# KiCad board tty2040.kicad_pcb
title: Serial to TTY converter board; date: 2025-02-20; rev: a
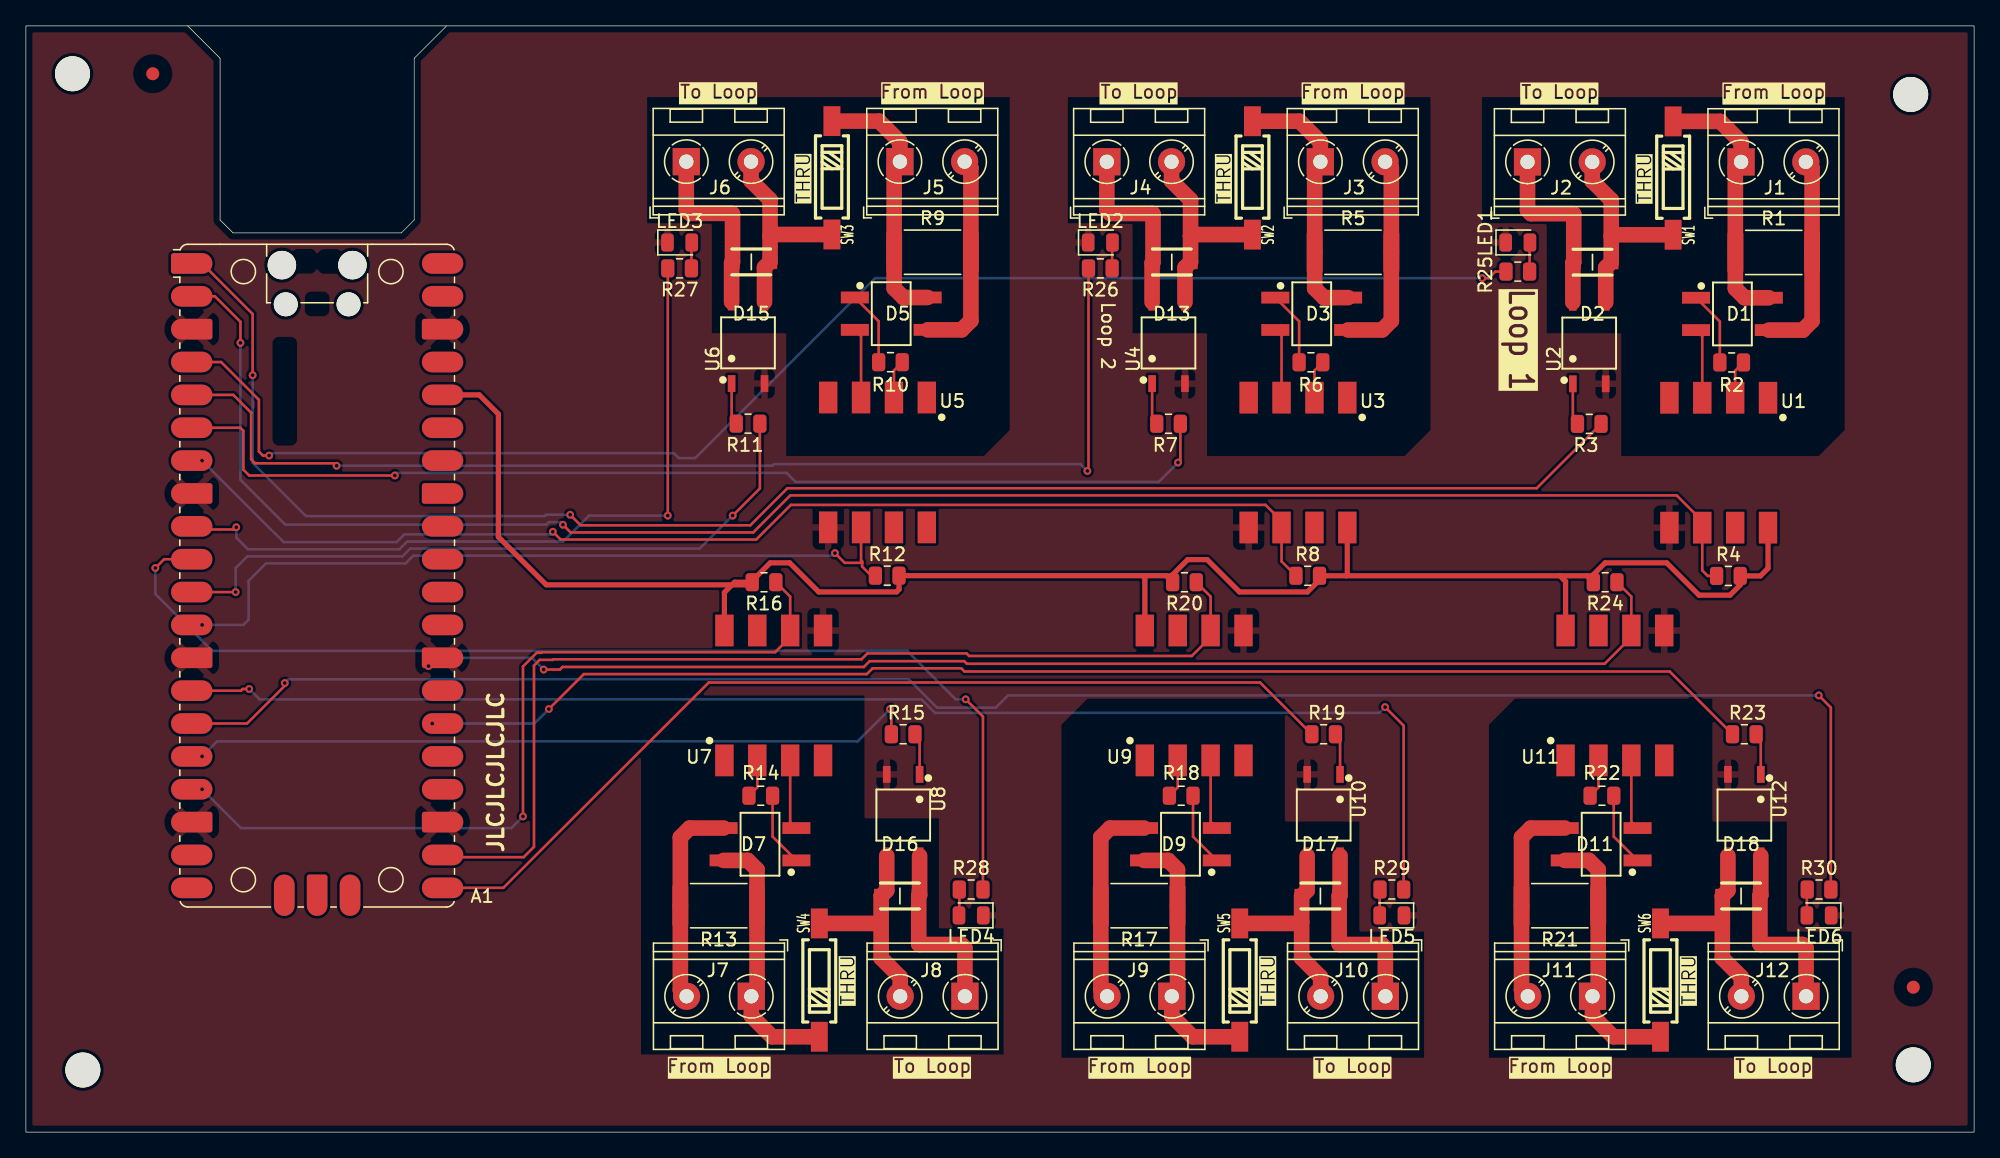
[diagram p0: board, top side]
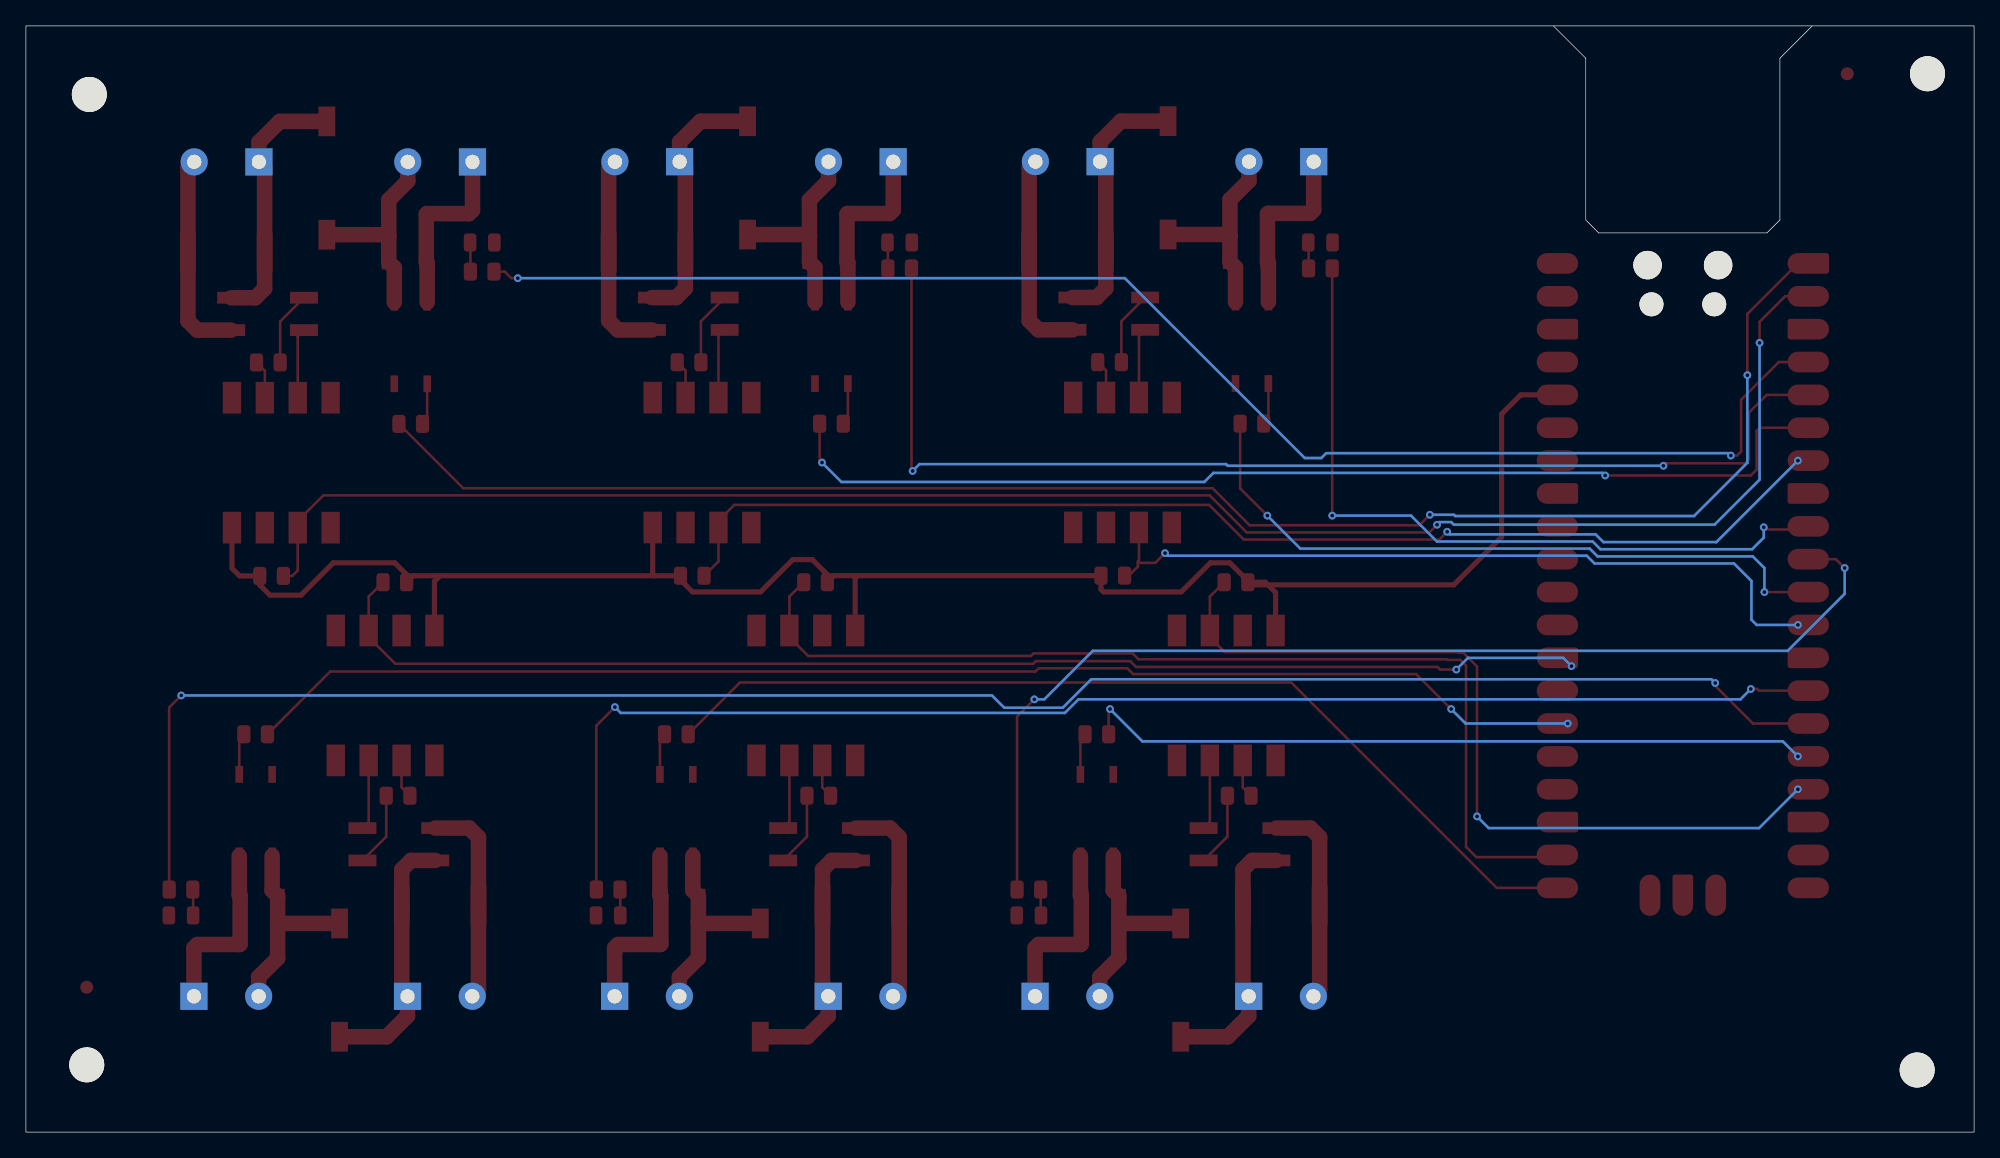
[diagram p1: board, bottom side, seen from below]

Outline 150.5 x 85.5 mm; copper layers: Top, Bottom. Coordinates in mm from the lower left corner of the outline.
Outline path: rectangle 0,85.5 150.5,0 ; 12.5,85.5 15,83 15,70.5 16,69.5 29,69.5 30,70.5 30,83 32.5,85.5
Stack: Top 0.035mm / dielectric 1.51mm FR4 er 4.5 / Bottom 0.035mm

## Placement (name value [footprint] x y rotation side)
A1  RaspberryPi_Pico  [RaspberryPi_Pico_Original_SMD_HandSolder]  22.5 43.01 0 top
D1  MB10S-50MIL  [MBF_L4.8-W3.9-P2.50-LS6.7-TR]  131.83 63.24 90 top
D2  SMF150CA_C519810  [SMF_L2.9-W1.9-LS3.9-BI]  121.02 67.24 180 top
D3  MB10S-50MIL  [MBF_L4.8-W3.9-P2.50-LS6.7-TR]  99.33 63.25 90 top
D5  MB10S-50MIL  [MBF_L4.8-W3.9-P2.50-LS6.7-TR]  66.85 63.26 90 top
D7  MB10S-50MIL  [MBF_L4.8-W3.9-P2.50-LS6.7-TR]  56.71 22.25 270 top
D9  MB10S-50MIL  [MBF_L4.8-W3.9-P2.50-LS6.7-TR]  89.19 22.25 270 top
D11  MB10S-50MIL  [MBF_L4.8-W3.9-P2.50-LS6.7-TR]  121.69 22.25 270 top
D13  SMF150CA_C519810  [SMF_L2.9-W1.9-LS3.9-BI]  88.52 67.25 180 top
D15  SMF150CA_C519810  [SMF_L2.9-W1.9-LS3.9-BI]  56.04 67.26 180 top
D16  SMF150CA_C519810  [SMF_L2.9-W1.9-LS3.9-BI]  67.52 18.25 0 top
D17  SMF150CA_C519810  [SMF_L2.9-W1.9-LS3.9-BI]  100 18.25 0 top
D18  SMF150CA_C519810  [SMF_L2.9-W1.9-LS3.9-BI]  132.5 18.25 0 top
FID1  Fiducial  [Fiducial_1mm_Mask3mm]  145.8 11.2 0 top
FID2  Fiducial  [Fiducial_1mm_Mask3mm]  9.8 81.8 0 top
H1  MountingHole  [MountingHole_2.7mm_M2.5]  3.6 81.8 270 top
H2  MountingHole  [MountingHole_2.7mm_M2.5]  4.4 4.8 270 top
H3  MountingHole  [MountingHole_2.7mm_M2.5]  145.8 5.2 270 top
H4  MountingHole  [MountingHole_2.7mm_M2.5]  145.6 80.2 270 top
J1  From Loop  [TerminalBlock_5mm_labeled]  132.5 74.99 0 top
J2  To Loop  [TerminalBlock_5mm_labeled]  116 74.99 0 top
J3  From Loop  [TerminalBlock_5mm_labeled]  100 75 0 top
J4  To Loop  [TerminalBlock_5mm_labeled]  83.5 75 0 top
J5  From Loop  [TerminalBlock_5mm_labeled]  67.52 75.01 0 top
J6  To Loop  [TerminalBlock_5mm_labeled]  51.02 75.01 0 top
J7  From Loop  [TerminalBlock_5mm_labeled]  56.04 10.5 180 top
J8  To Loop  [TerminalBlock_5mm_labeled]  72.54 10.5 180 top
J9  From Loop  [TerminalBlock_5mm_labeled]  88.52 10.5 180 top
J10  To Loop  [TerminalBlock_5mm_labeled]  105.02 10.5 180 top
J11  From Loop  [TerminalBlock_5mm_labeled]  121.02 10.5 180 top
J12  To Loop  [TerminalBlock_5mm_labeled]  137.52 10.5 180 top
LED1  KT-0603R  [D_0805_2012Metric]  115.25 68.76 0 top
LED2  KT-0603R  [D_0805_2012Metric]  83 68.76 0 top
LED3  KT-0603R  [D_0805_2012Metric]  50.5 68.76 0 top
LED4  KT-0603R  [D_0805_2012Metric]  73.02 16.75 180 top
LED5  KT-0603R  [D_0805_2012Metric]  105.52 16.75 180 top
LED6  KT-0603R  [D_0805_2012Metric]  138.52 16.75 180 top
R1  47R 1W  [R_2512_6332Metric]  135.02 67.99 0 top
R2  470  [R_0805_2012Metric]  131.77 59.49 0 top
R3  470  [R_0805_2012Metric]  120.77 54.74 180 top
R4  4.7K  [R_0805_2012Metric]  131.52 42.99 0 top
R5  47R 1W  [R_2512_6332Metric]  102.52 68 0 top
R6  470  [R_0805_2012Metric]  99.27 59.5 0 top
R7  470  [R_0805_2012Metric]  88.27 54.75 180 top
R8  4.7K  [R_0805_2012Metric]  99.02 43 0 top
R9  47R 1W  [R_2512_6332Metric]  70.04 68.01 0 top
R10  470  [R_0805_2012Metric]  66.79 59.51 0 top
R11  470  [R_0805_2012Metric]  55.79 54.76 180 top
R12  4.7K  [R_0805_2012Metric]  66.54 43.01 0 top
R13  47R 1W  [R_2512_6332Metric]  53.52 17.5 180 top
R14  470  [R_0805_2012Metric]  56.77 26 180 top
R15  470  [R_0805_2012Metric]  67.77 30.75 0 top
R16  4.7K  [R_0805_2012Metric]  57.02 42.5 180 top
R17  47R 1W  [R_2512_6332Metric]  86 17.5 180 top
R18  470  [R_0805_2012Metric]  89.25 26 180 top
R19  470  [R_0805_2012Metric]  100.25 30.75 0 top
R20  4.7K  [R_0805_2012Metric]  89.5 42.5 180 top
R21  47R 1W  [R_2512_6332Metric]  118.5 17.5 180 top
R22  470  [R_0805_2012Metric]  121.75 26 180 top
R23  470  [R_0805_2012Metric]  132.75 30.75 0 top
R24  4.7K  [R_0805_2012Metric]  122 42.5 180 top
R25  4.7K  [R_0805_2012Metric]  115.25 66.51 180 top
R26  4.7K  [R_0805_2012Metric]  83 66.76 180 top
R27  4.7K  [R_0805_2012Metric]  50.5 66.76 180 top
R28  4.7K  [R_0805_2012Metric]  73.02 18.75 0 top
R29  4.7K  [R_0805_2012Metric]  105.52 18.75 0 top
R30  4.7K  [R_0805_2012Metric]  138.52 18.75 0 top
SW1  THRU  [SW-SMD_DSIC01LSGET]  127.25 73.74 180 top
SW2  THRU  [SW-SMD_DSIC01LSGET]  94.75 73.75 180 top
SW3  THRU  [SW-SMD_DSIC01LSGET]  62.27 73.76 180 top
SW4  THRU  [SW-SMD_DSIC01LSGET]  61.29 11.75 0 top
SW5  THRU  [SW-SMD_DSIC01LSGET]  93.77 11.75 0 top
SW6  THRU  [SW-SMD_DSIC01LSGET]  126.27 11.75 0 top
U1  6N139SDM  [OPTO-SMD-8P_L9.6-W6.5-P2.54-LS10.0-BL]  130.77 51.74 180 top
U2  GAQY211G2S  [SOP-4_L4.4-W4.0-P2.54-LS7.0-TL]  120.77 60.99 90 top
U3  6N139SDM  [OPTO-SMD-8P_L9.6-W6.5-P2.54-LS10.0-BL]  98.27 51.75 180 top
U4  GAQY211G2S  [SOP-4_L4.4-W4.0-P2.54-LS7.0-TL]  88.27 61 90 top
U5  6N139SDM  [OPTO-SMD-8P_L9.6-W6.5-P2.54-LS10.0-BL]  65.79 51.76 180 top
U6  GAQY211G2S  [SOP-4_L4.4-W4.0-P2.54-LS7.0-TL]  55.79 61.01 90 top
U7  6N139SDM  [OPTO-SMD-8P_L9.6-W6.5-P2.54-LS10.0-BL]  57.77 33.75 0 top
U8  GAQY211G2S  [SOP-4_L4.4-W4.0-P2.54-LS7.0-TL]  67.77 24.5 270 top
U9  6N139SDM  [OPTO-SMD-8P_L9.6-W6.5-P2.54-LS10.0-BL]  90.25 33.75 0 top
U10  GAQY211G2S  [SOP-4_L4.4-W4.0-P2.54-LS7.0-TL]  100.25 24.5 270 top
U11  6N139SDM  [OPTO-SMD-8P_L9.6-W6.5-P2.54-LS10.0-BL]  122.75 33.75 0 top
U12  GAQY211G2S  [SOP-4_L4.4-W4.0-P2.54-LS7.0-TL]  132.75 24.5 270 top

## Library data of the parts
A1 = -: Datasheet: https://datasheets.raspberrypi.com/pico/pico-datasheet.pdf; Description: Versatile and inexpensive microcontroller module powered by RP2040 dual-core Arm Cortex-M0+ processor up to 133 MHz, 264kB SRAM, 2MB QSPI flash; ki_fp_filters: RaspberryPi?Pico?Common* RaspberryPi?Pico?Original*
D1 D3 D5 D7 D9 D11 = -: Datasheet: https://lcsc.com/product-detail/Others_Guangdong-Hottech-MB10F0-8A-46MIL_C193012.html; Description: Miniature Glass Passivated Single-Phase Surface Mount Bridge Rectifiers, 140V Vrms, 0.8A If, ABS SMD package; LCSC Part: C2488; LCSC: C2488
D2 D13 D15-D18 = -: Datasheet: https://lcsc.com/product-detail/TVS_PTTC-Polytronics-Tech-SMF150CA_C519810.html; LCSC Part: C519810
FID1 FID2 = -: Description: Fiducial Marker; ki_fp_filters: Fiducial*
H1-H4 = -: Description: Mounting Hole without connection; ki_fp_filters: MountingHole*
J1-J12 = -: Description: Generic screw terminal, single row, 01x02, script generated (kicad-library-utils/schlib/autogen/connector/); LCSC: C2997275; LCSC Part: C2997275; ki_fp_filters: TerminalBlock*:*
LED1-LED6 = -: LCSC Part: C2297; LCSC: C2297
R1 R5 R9 R13 R17 R21 = -: Description: 1W Thick Film Resistors ±100ppm/℃ ±5% 47Ω 2512 Chip Resistor - Surface Mount ROHS; LCSC: C341654; LCSC Part: C341654; ki_fp_filters: R_*
R2 R3 R6 R7 R10 R11 R14 R15 R18 R19 R22 R23 = -: Description: Resistor, small symbol; LCSC: C17710; LCSC Part: C17710; ki_fp_filters: R_*
R4 R8 R12 R16 R20 R24-R30 = -: Description: Resistor, small symbol; LCSC: C17673; LCSC Part: C17673; ki_fp_filters: R_*
SW1-SW6 = -: Datasheet: https://lcsc.com/product-detail/DIP-Switches_2-54mm-1-DIP-switch_C54948.html; LCSC Part: C54948; LCSC: C54948
U1 U3 U5 U7 U9 U11 = -: Datasheet: https://lcsc.com/product-detail/SMD-Optocouplers_FAIRCHILD_6N139SDM_6N139SDM_C42186.html; LCSC Part: C42186; LCSC: C42186
U2 U4 U6 U8 U10 U12 = -: LCSC Part: C7435104; LCSC: C7435104

## Footprints (pads in the part's own frame, mm; a bottom-side part is the same pattern mirrored in y, then rotated)
D_0805_2012Metric
  rrect 0.975x1.4 smd: 1(-0.938,0) 2(0.938,0)
Fiducial_1mm_Mask3mm
  round 1 smd: (0,0)
MBF_L4.8-W3.9-P2.50-LS6.7-TR
  rect 0.91x2.16 smd: 1(1.25,2.81) 2(1.25,-2.81) 3(-1.25,2.81) 4(-1.25,-2.81)
MountingHole_2.7mm_M2.5
  round 2.7 hole 2.7 unplated: (0,0)
OPTO-SMD-8P_L9.6-W6.5-P2.54-LS10.0-BL
  rect 1.42x2.45 smd: 1(-3.81,-5.02) 2(-1.27,-5.02) 3(1.27,-5.02) 4(3.81,-5.02) 5(3.81,5.02) 6(1.27,5.02) 7(-1.27,5.02) 8(-3.81,5.02)
R_0805_2012Metric
  rrect 1.025x1.4 smd: 1(-0.912,0) 2(0.912,0)
R_2512_6332Metric
  rrect 1.225x3.35 smd: 1(-2.962,0) 2(2.962,0)
RaspberryPi_Pico_Original_SMD_HandSolder
  rect 3.8x2.2 smd: (-8.89,24.13) (-8.89,21.59) (-8.89,19.05) (-8.89,16.51) (-8.89,13.97) (-8.89,11.43) (-8.89,8.89) (-8.89,6.35) (-8.89,3.81) (-8.89,1.27) (-8.89,-1.27) (-8.89,-3.81) (-8.89,-6.35) (-8.89,-8.89) (-8.89,-11.43) (-8.89,-13.97) (-8.89,-16.51) (-8.89,-19.05) (-8.89,-21.59) (-8.89,-24.13) (8.89,24.13) (8.89,21.59) (8.89,19.05) (8.89,16.51) (8.89,13.97) (8.89,11.43) (8.89,8.89) (8.89,6.35) (8.89,3.81) (8.89,1.27) (8.89,-1.27) (8.89,-3.81) (8.89,-6.35) (8.89,-8.89) (8.89,-11.43) (8.89,-13.97) (8.89,-16.51) (8.89,-19.05) (8.89,-21.59) (8.89,-24.13)
  round 2.2 hole 2.2 unplated: (-2.725,24) (2.725,24)
  rect 2.2x3.8 smd: (-2.54,-23.9) (0,-23.9) (2.54,-23.9)
  round 1.85 hole 1.85 unplated: (-2.425,20.97) (2.425,20.97)
  custom 3.2x1.6 smd: 1(-8.89,24.13) 3(-8.89,19.05) 8(-8.89,6.35) 13(-8.89,-6.35) 18(-8.89,-19.05) 23(8.89,-19.05) 28(8.89,-6.35) 33(8.89,6.35) 38(8.89,19.05)
  rrect 3.2x1.6 smd: 2(-8.89,21.59) 4(-8.89,16.51) 5(-8.89,13.97) 6(-8.89,11.43) 7(-8.89,8.89) 9(-8.89,3.81) 10(-8.89,1.27) 11(-8.89,-1.27) 12(-8.89,-3.81) 14(-8.89,-8.89) 15(-8.89,-11.43) 16(-8.89,-13.97) 17(-8.89,-16.51) 19(-8.89,-21.59) 20(-8.89,-24.13) 21(8.89,-24.13) 22(8.89,-21.59) 24(8.89,-16.51) 25(8.89,-13.97) 26(8.89,-11.43) 27(8.89,-8.89) 29(8.89,-3.81) 30(8.89,-1.27) 31(8.89,1.27) 32(8.89,3.81) 34(8.89,8.89) 35(8.89,11.43) 36(8.89,13.97) 37(8.89,16.51) 39(8.89,21.59) 40(8.89,24.13)
  rrect 1.6x3.2 smd: D1(-2.54,-23.9) D3(2.54,-23.9)
  custom 1.6x3.2 smd: D2(0,-23.9)
SMF_L2.9-W1.9-LS3.9-BI
  rect 1.1x1.1 smd: 1(-1.45,0) 2(1.45,0)
SOP-4_L4.4-W4.0-P2.54-LS7.0-TL
  rect 1.3x0.59 smd: 1(-3.15,1.27) 2(-3.15,-1.27) 3(3.15,-1.27) 4(3.15,1.27)
SW-SMD_DSIC01LSGET
  rect 1.3x2.3 smd: 1(0,4.38) 2(0,-4.38)
TerminalBlock_5mm_labeled
  rect 2.1x2.1 hole 1.1: 1(0,0)
  round 2.1 hole 1.1: 2(5,0)

## Nets
GND: A1.3 A1.8 A1.13 A1.18 A1.23 A1.28 A1.38 LED1.1 LED2.1 LED3.1 LED4.1 LED5.1 LED6.1 U1.5 U2.2 U3.5 U4.2 U5.5 U6.2 U7.5 U8.2 U9.5 U10.2 U11.5 U12.2
VCC: A1.36 R4.2 R8.2 R12.2 R16.2 R20.2 R24.2 U1.8 U3.8 U5.8 U7.8 U9.8 U11.8
/Loop1/FROM_LOOP: A1.2 R4.1 U1.6
/Loop1/TO_LOOP: A1.1 R3.1
/Loop2/FROM_LOOP: A1.7 R8.1 U3.6
/Loop2/TO_LOOP: A1.6 R7.1
/Loop3/FROM_LOOP: A1.12 R12.1 U5.6
/Loop3/TO_LOOP: A1.11 R11.1
/Loop4/FROM_LOOP: A1.17 R16.1 U7.6
/Loop4/TO_LOOP: A1.16 R15.1
/Loop5/FROM_LOOP: A1.22 R20.1 U9.6
/Loop5/TO_LOOP: A1.21 R19.1
/Loop6/FROM_LOOP: A1.27 R24.1 U11.6
/Loop6/TO_LOOP: A1.26 R23.1
ACT1: A1.4 R25.2
ACT2: A1.5 R26.2
ACT3: A1.9 R27.2
ACT4: A1.10 R28.2
ACT5: A1.14 R29.2
ACT6: A1.15 R30.2
Net-(D1-+): D1.1 R2.1
Net-(D1--): D1.3 U1.3
Net-(D3-+): D3.1 R6.1
Net-(D3--): D3.3 U3.3
Net-(D5-+): D5.1 R10.1
Net-(D5--): D5.3 U5.3
Net-(D7-+): D7.1 R14.1
Net-(D7--): D7.3 U7.3
Net-(D9-+): D9.1 R18.1
Net-(D9--): D9.3 U9.3
Net-(D11-+): D11.1 R22.1
Net-(D11--): D11.3 U11.3
Net-(J1-Pin_1): D1.2 J1.1 R1.1 SW1.2
Net-(J1-Pin_2): D1.4 J1.2 R1.2
Net-(J2-Pin_1): D2.2 J2.1 U2.4
Net-(J2-Pin_2): D2.1 J2.2 SW1.1 U2.3
Net-(J3-Pin_1): D3.2 J3.1 R5.1 SW2.2
Net-(J3-Pin_2): D3.4 J3.2 R5.2
Net-(J4-Pin_1): D13.2 J4.1 U4.4
Net-(J4-Pin_2): D13.1 J4.2 SW2.1 U4.3
Net-(J5-Pin_1): D5.2 J5.1 R9.1 SW3.2
Net-(J5-Pin_2): D5.4 J5.2 R9.2
Net-(J6-Pin_1): D15.2 J6.1 U6.4
Net-(J6-Pin_2): D15.1 J6.2 SW3.1 U6.3
Net-(J7-Pin_1): D7.2 J7.1 R13.1 SW4.2
Net-(J7-Pin_2): D7.4 J7.2 R13.2
Net-(J8-Pin_1): D16.2 J8.1 U8.4
Net-(J8-Pin_2): D16.1 J8.2 SW4.1 U8.3
Net-(J9-Pin_1): D9.2 J9.1 R17.1 SW5.2
Net-(J9-Pin_2): D9.4 J9.2 R17.2
Net-(J10-Pin_1): D17.2 J10.1 U10.4
Net-(J10-Pin_2): D17.1 J10.2 SW5.1 U10.3
Net-(J11-Pin_1): D11.2 J11.1 R21.1 SW6.2
Net-(J11-Pin_2): D11.4 J11.2 R21.2
Net-(J12-Pin_1): D18.2 J12.1 U12.4
Net-(J12-Pin_2): D18.1 J12.2 SW6.1 U12.3
Net-(LED1-A): LED1.2 R25.1
Net-(LED2-A): LED2.2 R26.1
Net-(LED3-A): LED3.2 R27.1
Net-(LED4-A): LED4.2 R28.1
Net-(LED5-A): LED5.2 R29.1
Net-(LED6-A): LED6.2 R30.1
Net-(R3-Pad2): R3.2 U2.1
Net-(R7-Pad2): R7.2 U4.1
Net-(R11-Pad2): R11.2 U6.1
Net-(R15-Pad2): R15.2 U8.1
Net-(R19-Pad2): R19.2 U10.1
Net-(R23-Pad2): R23.2 U12.1
Net-(U1-VF+): R2.2 U1.2
Net-(U3-VF+): R6.2 U3.2
Net-(U5-VF+): R10.2 U5.2
Net-(U7-VF+): R14.2 U7.2
Net-(U9-VF+): R18.2 U9.2
Net-(U11-VF+): R22.2 U11.2

Pads without a net: A1 19 20 24 25 29 30 31 32 33 34 35 37 39 40 D1 D2 D3; U1 1 4 7; U3 1 4 7; U5 1 4 7; U7 1 4 7; U9 1 4 7; U11 1 4 7

## Via types
v1: diameter 0.6, hole 0.3, Top to Bottom, 32 vias

## Routing (per net, layer and track width the routed paths; a pad name or vN(x,y) marks a point on that pad's centre or on a via; arc(x,y) is an arc through that point)
VCC: length 145.2
  Top w0.4: R16.2 56.11,42.61 57.5,44 59,44 61.25,41.75 67.25,41.75 67.45,41.95 R12.2 86.25,43.01 ; R16.2 54.75,42.5 53.96,41.71 U7.8 ; R16.2 55.91,42.3 40.2,42.3 36.5,46 36.5,55.5 35.02,56.98 A1.36 ; 118.5,43 120.59,43 R24.2 121.09,43.09 122,44 126.75,44 129.25,41.5 131.64,41.5 132.43,42.29 R4.2 133.99,42.99 134.58,43.58 U1.8 ; 118.5,43 102,43 ; 118.5,43 118.94,42.56 U11.8 ; 102,43 R8.2 99.93,42.68 99,41.75 93.75,41.75 91.25,44.25 89.75,44.25 88.59,43.09 R20.2 88.08,43.01 86.25,43.01 ; 102,43 102.08,43.08 U3.8 ; U9.8 86.44,42.82 86.25,43.01
/Loop1/FROM_LOOP: length 137.9
  Top w0.2: R4.1 129.92,42.99 129.5,43.41 U1.6 129.5,47.23 127.52,49.21 59.05,49.21 56.19,46.35 42.08,46.35 v1(41.49,46.94) ; A1.2 14.6,64.6 16.57,62.63 v1(16.57,61)
  Bottom w0.2: v1(16.57,61) 16.57,50.43 20.05,46.95 40.2,46.95 40.4,47.15 41.28,47.15 v1(41.49,46.94)
/Loop1/TO_LOOP: length 126.5
  Top w0.2: A1.1 17.52,63.23 v1(17.52,58.5) ; v1(42.04,47.71) 42.86,46.9 55.96,46.9 58.83,49.76 116.71,49.76 R3.1
  Bottom w0.2: v1(17.52,58.5) 17.52,51.73 21.63,47.62 40.09,47.62 40.18,47.71 v1(42.04,47.71)
/Loop2/FROM_LOOP: length 92.9
  Top w0.2: R8.1 97,44.11 U3.6 97,47.24 95.77,48.48 59.1,48.48 56.42,45.8 41.31,45.8 v1(40.71,46.4)
  Bottom w0.2: v1(40.71,46.4) 40.51,46.2 29.24,46.2 28.64,45.6 19.91,45.6 v1(13.61,51.9)
/Loop2/TO_LOOP: length 82.7
  Top w0.2: v1(89,51.75) 89.18,51.93 R7.1 ; A1.6 16.56,54.44 16.8,54.2 16.8,51.2 17.25,50.75 v1(28.5,50.75)
  Bottom w0.2: v1(28.5,50.75) 28.7,50.95 58.77,50.95 59.47,50.25 87.5,50.25 v1(89,51.75)
/Loop3/FROM_LOOP: length 59.7
  Top w0.2: v1(62.5,44.75) 63.25,44 64.6,44 ; 64.6,44 64.6,44.11 64.52,44.19 U5.6 ; 64.6,44 64.6,43.71 65.3,43.01 R12.1
  Bottom w0.2: v1(13.61,39.2) 16.8,39.2 17.2,39.6 17.2,42.6 18.55,43.95 29.32,43.95 29.92,44.55 62.3,44.55 v1(62.5,44.75)
/Loop3/TO_LOOP: length 52.5
  Top w0.2: v1(54.6,47.65) 56.7,49.75 R11.1 ; A1.11 v1(16.2,41.74)
  Bottom w0.2: v1(16.2,41.74) 16.2,43.6 17.1,44.5 29.09,44.5 29.69,45.1 52.05,45.1 v1(54.6,47.65)
/Loop4/FROM_LOOP: length 64.3
  Top w0.2: R16.1 59.04,41.39 U7.6 59.04,38.25 57.88,37.09 39.89,37.09 39.85,37.05 39.46,37.05 38.4,35.99 v1(38.4,24.4)
  Bottom w0.2: v1(13.61,26.5) 16.61,23.5 37.5,23.5 v1(38.4,24.4)
/Loop4/TO_LOOP: length 56.7
  Top w0.2: v1(66.75,32.7) 66.86,32.59 R15.1
  Bottom w0.2: v1(66.75,32.7) 64.25,30.2 14.77,30.2 v1(13.61,29.04)
/Loop5/FROM_LOOP: length 80.3
  Top w0.2: A1.22 31.56,21.25 38.45,21.25 39.25,22.05 39.25,36.06 39.69,36.5 40.69,36.5 40.73,36.54 64.55,36.54 65.01,37 72.66,37 72.86,36.8 90.07,36.8 91.52,38.25 U9.6 91.52,41.39 R20.1
/Loop5/TO_LOOP: length 76.2
  Top w0.2: A1.21 36.88,18.88 52.75,34.75 95.34,34.75 R19.1
/Loop6/FROM_LOOP: length 99.5
  Top w0.2: R24.1 124.02,41.39 U11.6 124.02,38.25 121.97,36.2 72.69,36.2 72.49,36.4 65.18,36.4 64.73,35.95 41.45,35.95 41.25,35.75 v1(40,35.75)
  Bottom w0.2: v1(40,35.75) 39.1,36.65 31.73,36.65 v1(31.1,36.02)
/Loop6/TO_LOOP: length 104.3
  Top w0.2: R23.1 126.99,35.6 72.51,35.6 72.26,35.85 65.41,35.85 64.96,35.4 43.1,35.4 v1(40.4,32.7)
  Bottom w0.2: v1(31.39,31.58) 39.28,31.58 v1(40.4,32.7)
ACT1: length 112.3
  Top w0.2: v1(18.79,52.29) 18.31,52.29 18,52.6 18,56.6 15.08,59.52 A1.4 ; v1(112.5,66) 113,66 113.51,66.51 R25.2
  Bottom w0.2: v1(18.79,52.29) 18.97,52.47 50.05,52.47 50.43,52.1 51.71,52.1 65.61,66 v1(112.5,66)
ACT2: length 88.7
  Top w0.2: v1(82,51.1) 82.09,51.19 R26.2 ; v1(24,51.5) 23.81,51.69 17.71,51.69 17.4,52 17.4,55.6 16.02,56.98 A1.5
  Bottom w0.2: v1(82,51.1) 81.47,51.63 57.79,51.63 57.66,51.5 v1(24,51.5)
ACT3: length 57.5
  Top w0.2: A1.9 13.86,46.58 16.08,46.58 v1(16.25,46.75) ; R27.2 v1(49.59,47.65)
  Bottom w0.2: v1(16.25,46.75) 16.25,45.95 17.15,45.05 28.87,45.05 29.47,45.65 41.5,45.65 43.5,47.65 v1(49.59,47.65)
ACT4: length 87.1
  Top w0.2: A1.10 10.68,44.28 v1(10,43.6) ; v1(72.6,33.45) 73.93,32.12 R28.2
  Bottom w0.2: v1(72.6,33.45) 71.82,33.45 68.07,37.2 14.4,37.2 10,41.6 v1(10,43.6)
ACT5: length 107.1
  Top w0.2: A1.14 16.62,34.12 16.75,34.25 v1(17.25,34.25) ; R29.2 106.43,31.42 v1(105,32.85)
  Bottom w0.2: v1(17.25,34.25) 18.05,33.45 69.18,33.45 70.23,32.4 104.55,32.4 v1(105,32.85)
ACT6: length 143.1
  Top w0.2: R30.2 139.43,32.82 v1(138.5,33.75) ; A1.15 17.08,31.58 20,34.5 v1(20,34.71)
  Bottom w0.2: v1(20,34.71) 20.29,35 68.2,35 70.4,32.8 74.92,32.8 75.87,33.75 v1(138.5,33.75)
Net-(D1-+): length 5.8
  Top w0.2: R2.1 130.86,62.65 D1.1
Net-(D1--): length 5.4
  Top w0.2: U1.3 129.5,61.51 D1.3
Net-(D3-+): length 5.8
  Top w0.2: D3.1 98.36,62.66 R6.1
Net-(D3--): length 5.4
  Top w0.2: D3.3 97,61.52 U3.3
Net-(D5-+): length 5.8
  Top w0.2: R10.1 65.88,62.67 D5.1
Net-(D5--): length 5.4
  Top w0.2: U5.3 64.52,61.53 D5.3
Net-(D7-+): length 5.8
  Top w0.2: D7.1 57.68,22.84 R14.1
Net-(D7--): length 5.4
  Top w0.2: U7.3 59.04,23.98 D7.3
Net-(D9-+): length 5.8
  Top w0.2: D9.1 90.16,22.84 R18.1
Net-(D9--): length 5.4
  Top w0.2: U9.3 91.52,23.98 D9.3
Net-(D11-+): length 5.8
  Top w0.2: D11.1 122.66,22.84 R22.1
Net-(D11--): length 5.4
  Top w0.2: U11.3 124.02,23.98 D11.3
Net-(J1-Pin_1): length 20.3
  Top w1.2: D1.2 132.77,64.49 132.06,65.2 R1.1 132.06,74.55 J1.1 132.5,76.51 130.89,78.12 SW1.2
Net-(J1-Pin_2): length 16.1
  Top w1.2: J1.2 137.98,74.51 R1.2 137.98,62.7 137.27,61.99 D1.4
Net-(J2-Pin_1): length 14.3
  Top w1.2: J2.1 116,71.26 116.27,70.99 119.52,70.99 119.57,70.94 D2.2 119.5,67.17 U2.4
Net-(J2-Pin_2): length 16.5
  Top w1.2: 122.47,69.24 D2.1 122.04,66.81 U2.3 ; 122.47,69.24 122.59,69.36 SW1.1 ; 122.47,69.24 122.47,72.04 121,73.51 J2.2
Net-(J3-Pin_1): length 20.3
  Top w1.2: SW2.2 98.39,78.13 100,76.52 J3.1 99.56,74.56 R5.1 99.56,65.21 100.27,64.5 D3.2
Net-(J3-Pin_2): length 16.1
  Top w1.2: J3.2 105.48,74.52 R5.2 105.48,62.71 104.77,62 D3.4
Net-(J4-Pin_1): length 14.3
  Top w1.2: J4.1 83.5,71.27 83.77,71 87.02,71 87.07,70.95 D13.2 87,67.18 U4.4
Net-(J4-Pin_2): length 16.5
  Top w1.2: 89.97,69.25 89.97,72.05 88.5,73.52 J4.2 ; 89.97,69.25 D13.1 89.54,66.82 U4.3 ; 89.97,69.25 90.09,69.37 SW2.1
Net-(J5-Pin_1): length 20.3
  Top w1.2: D5.2 67.79,64.51 67.08,65.22 67.08,74.57 J5.1 67.52,76.53 65.91,78.14 SW3.2
Net-(J5-Pin_2): length 16.1
  Top w1.2: J5.2 73,74.53 R9.2 73,62.72 72.29,62.01 D5.4
Net-(J6-Pin_1): length 14.3
  Top w1.2: J6.1 51.02,71.28 51.29,71.01 54.54,71.01 54.59,70.96 D15.2 54.52,67.19 U6.4
Net-(J6-Pin_2): length 16.5
  Top w1.2: U6.3 57.06,66.83 D15.1 57.49,69.26 ; J6.2 56.02,73.53 57.49,72.06 57.49,69.26 ; 57.49,69.26 57.61,69.38 SW3.1
Net-(J7-Pin_1): length 20.3
  Top w1.2: SW4.2 57.65,7.37 56.04,8.98 J7.1 56.48,10.94 R13.1 56.48,20.29 55.77,21 D7.2
Net-(J7-Pin_2): length 16.1
  Top w1.2: J7.2 50.56,10.98 R13.2 50.56,22.79 51.27,23.5 D7.4
Net-(J8-Pin_1): length 14.3
  Top w1.2: U8.4 69.04,18.32 D16.2 68.97,14.55 69.02,14.5 72.27,14.5 72.54,14.23 J8.1
Net-(J8-Pin_2): length 16.5
  Top w1.2: U8.3 66.5,18.68 D16.1 66.07,16.25 ; 66.07,16.25 65.95,16.13 SW4.1 ; 66.07,16.25 66.07,13.45 67.54,11.98 J8.2
Net-(J9-Pin_1): length 20.3
  Top w1.2: SW5.2 90.13,7.37 88.52,8.98 J9.1 88.96,10.94 R17.1 88.96,20.29 88.25,21 D9.2
Net-(J9-Pin_2): length 16.1
  Top w1.2: D9.4 83.75,23.5 83.04,22.79 R17.2 83.04,10.98 J9.2
Net-(J10-Pin_1): length 14.3
  Top w1.2: U10.4 101.52,18.32 D17.2 101.45,14.55 101.5,14.5 104.75,14.5 105.02,14.23 J10.1
Net-(J10-Pin_2): length 16.5
  Top w1.2: U10.3 98.98,18.68 D17.1 98.55,16.25 ; 98.55,16.25 98.55,13.45 100.02,11.98 J10.2 ; 98.55,16.25 98.43,16.13 SW5.1
Net-(J11-Pin_1): length 20.3
  Top w1.2: SW6.2 122.63,7.37 121.02,8.98 J11.1 121.46,10.94 R21.1 121.46,20.29 120.75,21 D11.2
Net-(J11-Pin_2): length 16.1
  Top w1.2: D11.4 116.25,23.5 115.54,22.79 R21.2 115.54,10.98 J11.2
Net-(J12-Pin_1): length 14.3
  Top w1.2: J12.1 137.52,14.23 137.25,14.5 134,14.5 133.95,14.55 D18.2 134.02,18.32 U12.4
Net-(J12-Pin_2): length 16.5
  Top w1.2: J12.2 132.52,11.98 131.05,13.45 131.05,16.25 ; 131.05,16.25 130.93,16.13 SW6.1 ; 131.05,16.25 D18.1 131.48,18.68 U12.3
Net-(LED1-A): length 2.3
  Top w0.2: R25.1 116.16,68.73 LED1.2
Net-(LED2-A): length 2
  Top w0.2: LED2.2 83.91,68.73 R26.1
Net-(LED3-A): length 2
  Top w0.2: R27.1 51.41,68.73 LED3.2
Net-(LED4-A): length 2
  Top w0.2: LED4.2 72.11,16.77 R28.1
Net-(LED5-A): length 2
  Top w0.2: R29.1 104.58,18.72 LED5.2 104.61,16.77
Net-(LED6-A): length 2
  Top w0.2: LED6.2 137.58,18.72 R30.1
Net-(R3-Pad2): length 3.2
  Top w0.2: U2.1 119.5,55.1 R3.2
Net-(R7-Pad2): length 3.2
  Top w0.2: U4.1 87,55.11 R7.2
Net-(R11-Pad2): length 3.2
  Top w0.2: R11.2 54.52,55.12 U6.1
Net-(R15-Pad2): length 3.2
  Top w0.2: R15.2 69.04,30.39 U8.1
Net-(R19-Pad2): length 3.2
  Top w0.2: R19.2 101.52,30.39 U10.1
Net-(R23-Pad2): length 3.2
  Top w0.2: R23.2 134.02,30.39 U12.1
Net-(U1-VF+): length 3
  Top w0.2: R2.2 132.04,58.85 U1.2
Net-(U3-VF+): length 3
  Top w0.2: U3.2 99.54,58.86 R6.2
Net-(U5-VF+): length 3
  Top w0.2: U5.2 67.06,58.87 R10.2
Net-(U7-VF+): length 3
  Top w0.2: R14.2 56.5,26.64 U7.2
Net-(U9-VF+): length 3
  Top w0.2: U9.2 88.98,26.64 R18.2
Net-(U11-VF+): length 3
  Top w0.2: R22.2 121.48,26.64 U11.2

## Copper pours and planes (outline as drawn; the poured copper is in the pictures)
GND on Top: -0.5,86 -0.5,0 0.5,-1 150,-1 150.5,-0.5 150.5,86

## Text on the board
F.Silkscreen: Loop 2 | JLCJLCJLCJLC | Loop 1 | Trans rights are / human rights
